# Altium PCB F103RCT6.PcbDoc (part 2 of 2)
Units mil, origin at the board's own origin, x right, y up, seen from the top; angles counter-clockwise.
Board outline 3156.04 x 3159.04 mil, 2 copper layers (Top Layer, Bottom Layer); 126 components, 98 nets, 417 pads, 209 vias.
Unrouted connection lines stored in the file: 63.
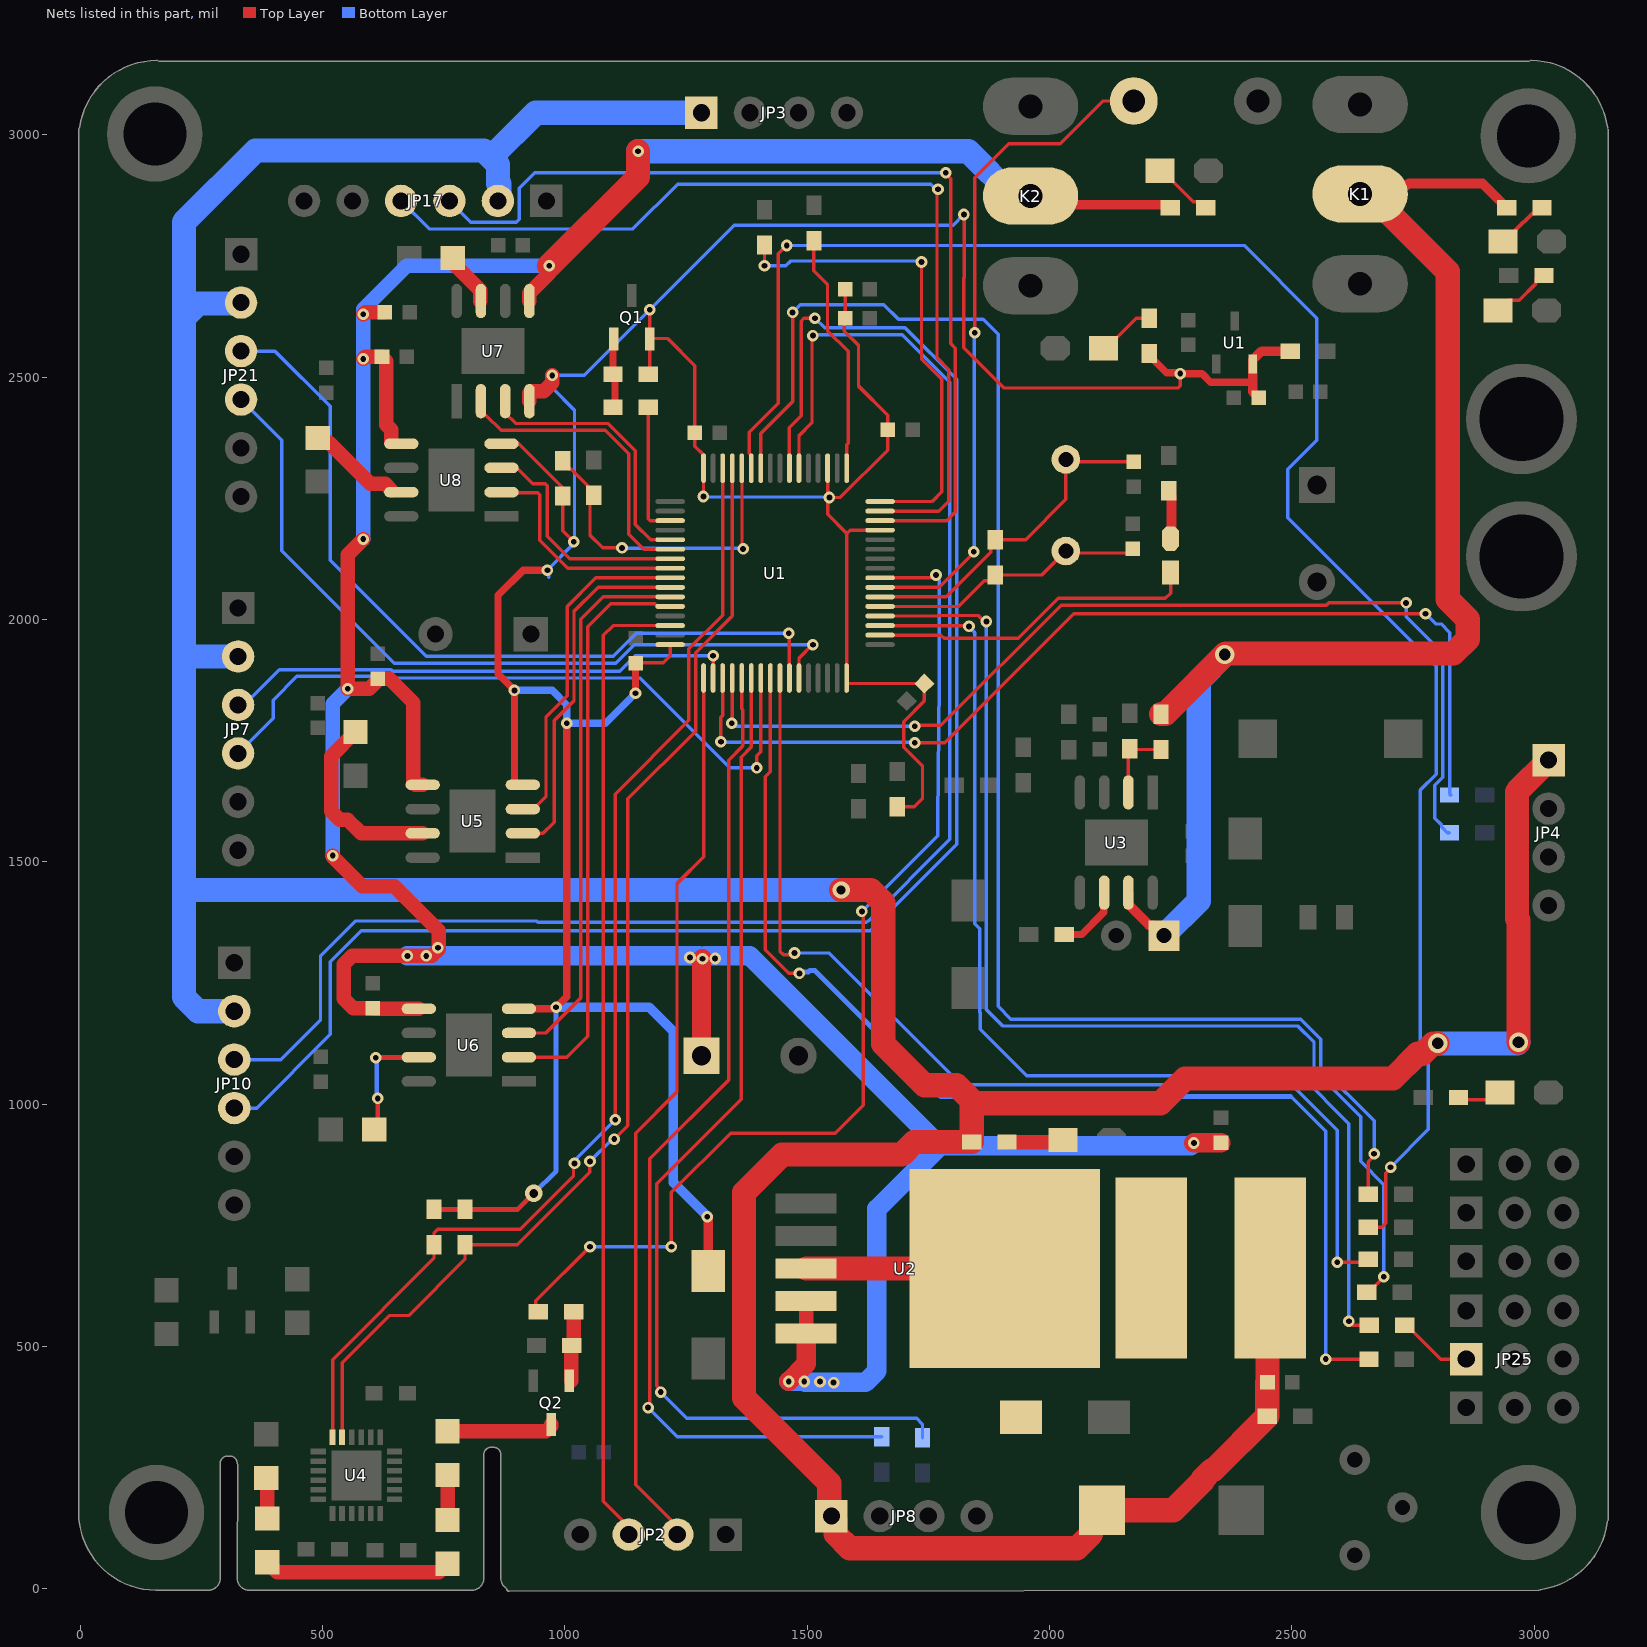
[diagram p2: the nets of this part, all layers, seen from the top]

## Via types
v1: diameter 24, hole 12, Top Layer to Bottom Layer, tented both sides, 193 vias
v2: diameter 36, hole 18, Top Layer to Bottom Layer, tented both sides, 9 vias
v3: diameter 40, hole 24, Top Layer to Bottom Layer, tented both sides, 3 vias
v4: diameter 40, hole 20, Top Layer to Bottom Layer, tented both sides, 2 vias
v5: diameter 23, hole 12, Top Layer to Bottom Layer, tented both sides, 2 vias

## Nets (pads, with @x,y where several pads share a name; then routed paths per layer and width w, separated by ;. In a path a pad name is that pad's centre, name@x,y a point inside that pad or via, vN(x,y) a via of type N, cw(c..) or ccw(c..) an arc to the next point about the centre after c; other vN are vias at no path point) (continued)
NetJP25_1: JP25.1 R49.2 | length 156
  Top Layer w7: R49.2@2733,544 2737.25,544 2807.25,474 JP25.1@2860,474
NetL2_1: L2.1 U2.3 VD2.2 | length 416.4
  Top Layer w7: U2.3@1936.93,632 U2.3@1941.45,627.48
  Top Layer w50: U2.3@1498,660.93 U2.3@1908,660.93
NetLED1_2: LED1.2 R16.2 | length 89.5
  Top Layer w20: LED1.2@2249.74,2167 2252,2169.26 2252,2243.78 2251.75,2244.04 R16.2@2251.75,2255.5
NetLED2_1: LED2.1 R38.1 | length 114.7
  Top Layer w8: LED2.1@2936,2780 2941,2780 2962,2801 2962,2803.75 2996.5,2838.25 3000.5,2838.25 R38.1@3014,2851.75 ; R38.1@3014,2855.75 R38.1@3014,2851.75 ; R38.1@3015,2852.75 R38.1@3014,2851.75
NetLED3_1: LED3.1 R39.1 | length 126
  Top Layer w7: LED3.1@2228,2926 2233,2926 2296.75,2862.25 2310.25,2862.25 R39.1@2322.5,2850
NetLED4_1: LED4.1 R40.1 | length 68.5
  Top Layer w7: R40.1@2844,1014 2849,1009 LED4.1@2909,1009
  Top Layer w20: LED4.1@2929,1025 LED4.1@2930,1024
NetLED5_1: LED5.1 R41.1 | length 112.2
  Top Layer w30: R41.1@1917.5,922 2024,922 LED5.1@2028,926
NetLED6_1: LED6.1 R42.1 | length 119.7
  Top Layer w7: LED6.1@2112,2560 2117,2560 2179,2622 R42.1@2206,2622
NetLED7_1: LED7.1 R50.1 | length 134.8
  Top Layer w7: LED7.1@2926,2638 2946.67,2658.67 2969.17,2658.67 3004,2693.5 3004,2705.75 3016.25,2718 R50.1@3020.5,2718
NetQ1_1: Q1.1 R1.1 R2.2 | length 137.5
  Top Layer w15: R1.1@1099.5,2506 Q1.1@1099.5,2575.5 ; R2.2@1103.5,2438 R1.1@1103.5,2506
NetQ2_1: Q2.1 R30.2 R31.2 | length 130.7
  Top Layer w30: Q2.1@1013.4,429.5 1013.4,489.25 1014.15,490 R31.2@1014.5,490 ; R31.2@1016.5,504 1017.75,504 1018.5,504.75 R30.2@1018.5,572
NetQ2_3: Q2.3 R27.2 | length 222
  Top Layer w30: R27.2@758,325 960.96,325 972,336.04 Q2.3@972,339.5
NetR10_1: R10.1 R11.2 U3.2 | length 156
  Top Layer w7: U3.2@2163,1643.35 2163,1730.5 R10.1@2166,1733.5 2167.5,1732 R11.2@2230,1732
NetR13_2: R13.2 U3.6 | length 141.6
  Top Layer w15: R13.2@2030.5,1350 2066,1350 2111.96,1395.96 2111.96,1435.61 U3.6@2113,1436.65
NetR23_1: R23.1 R25.1 | length 388.2
  Top Layer w30: R23.1@386,55 407,34 740,34 R25.1@758,52
NetR23_2: R23.2 R24.1 | length 90
  Top Layer w30: R23.2@386,145 R24.1@386,235
NetR25_2: R25.2 R27.1 | length 97.4
  Top Layer w7: R27.1@754,236 755,235 R27.1@758,235
  Top Layer w30: R25.2@758,142 R27.1@758,235
NetR28_2: R28.2 U5.7 | length 391.7
  Top Layer w30: R28.2@568,1768 518,1718 518,1604.57 535.57,1587 551.65,1587 579.65,1559 U5.7@706.65,1559
NetR37_2: R37.2 U6.7 | length 245.6
  Top Layer w10: R37.2@607,938 614,945 v1(614,1012) ; v1(610,1096) 610.5,1096.5 686.15,1096.5 U6.7@686.65,1097
  Bottom Layer w10: v1(610,1096) 612,1094 612,1008 v1@614,1006
NetR43_2: R43.2 U7.7 | length 112.1
  Top Layer w30: R43.2@769,2746 769,2736.38 825.6,2679.78 U7.7@825.6,2657.35
NetR44_2: R44.2 U8.7 | length 196.9
  Top Layer w30: R44.2@490,2375 500,2365 513.57,2365 598.4,2280.17 629.22,2280.17 U8.7@642.22,2267.17
NRST: KEY?.2 U1.7 | length 1393.3
  Top Layer w7: U1.7@1650.52,2066.48 1772.3,2066.48 1844,2138.18 v1(1844,2140.09) v1@1844,2142 ; v1(1846,2592) 1846,2912 1916.25,2982.25 2021.9,2982.25 2109.65,3070 KEY?.2@2174.09,3070
  Bottom Layer w7: v1(1844,2140.09) 1845,2141.09 1845,2591 v1(1846,2592)
OSCIN: C1.1 R5.2 U1.5 X1.2 | length 572.6
  Top Layer w7: U1.5@1650.52,2027.11 1813.11,2027.11 1865.85,2079.85 1875.85,2079.85 R5.2@1888,2092 1984.49,2092 X1.2@2034,2141.51 ; X1.2@2034,2137.51 2163.11,2137.51 C1.1@2172,2146.41
OSCOUT: C3.1 R5.1 U1.6 X1.1 | length 701.3
  Top Layer w7: U1.6@1650.52,2046.8 1786.8,2046.8 1878.6,2138.6 1878.6,2155.6 R5.1@1888,2165 1951,2165 2034,2248 X1.1@2034,2330.49 2038.89,2325.59 C3.1@2174,2325.59
PA0: JP17.3 U1.14 | length 1992.8
  Top Layer w7: U1.14@1650.52,2204.28 1788.28,2204.28 1806,2222 1806,2559.7 1796,2569.7 1796,2909.4 1786,2919.4 v1(1786,2922)
  Bottom Layer w7: JP17.3@762,2864 805.96,2820.04 899.93,2820.04 906,2826.1 906,2889.78 938.22,2922 v1(1786,2922)
PA1: JP17.4 U1.15 | length 1979.3
  Top Layer w7: U1.15@1650.52,2223.96 1772.09,2223.96 1792,2243.88 1792,2516 1768,2540 1768,2886 v1(1770,2888)
  Bottom Layer w7: JP17.4@662,2864 719.96,2806.04 1140.52,2806.04 1232.98,2898.5 1754.9,2898.5 1765.4,2888 v1(1770,2888)
PA2: R17.1 U1.16 | length 999.3
  Top Layer w7: v1(1412,2730) R17.1@1412,2773 ; U1.16@1650.52,2243.65 1757.65,2243.65 1778,2264 1778,2496.45 1736,2538.45 v1(1736,2738)
  Bottom Layer w7: v1(1412,2730) 1456.18,2730 1466.18,2740 1734,2740 v1(1736,2738)
PA3: R21.1 U1.17 | length 499.9
  Top Layer w7: R21.1@1514,2782 1514,2720 1542,2692 1542,2596 1584.5,2553.5 1584.5,2363.81 1581.64,2360.95 U1.17@1581.64,2312.53
PA6: JP10.3 U1.22 | length 3296.7
  Top Layer w7: U1.22@1483.22,2312.53 1483.22,2379.12 1510,2405.9 1510,2584 v1(1512,2586)
  Bottom Layer w7: JP10.3@318,1092 414,1092 496,1174 496,1306 568,1378 942.18,1378 944.68,1375.5 1622.32,1375.5 1624.82,1378 1625.82,1378 1794.5,1546.68 1794.5,2489.7 1696.2,2588 1514,2588 v1(1512,2586)
PA7: JP10.4 U1.23 | length 3451.9
  Top Layer w7: U1.23@1463.53,2312.53 1463.53,2395.71 1488,2420.18 1488,2616.03 1493.5,2621.53 1515.53,2621.53 v1(1516,2622)
  Bottom Layer w7: JP10.4@318,992 364,992 516,1144 516,1294 580,1358 1630,1358 1808.5,1536.5 1808.5,2495.5 1702,2602 1536,2602 v1(1516,2622)
PA8: U1.41 U5.3 | length 705.6
  Top Layer w7: U5.3@913.35,1609 935,1609 961.28,1635.28 961.28,1799.28 1005,1843 1005,2027 1064.17,2086.17 U1.41@1217.48,2086.17
PA9: U1.42 U5.2 | length 745.1
  Top Layer w7: U5.2@913.35,1559 955,1559 978,1582 978,1791.82 1019,1832.82 1019,2016.9 1068.58,2066.48 U1.42@1217.48,2066.48
PA10: U1.43 U6.3 | length 1141.7
  Top Layer w7: U6.3@906.41,1147 960.82,1147 1033,1219.18 1033,2000.9 1078.9,2046.8 U1.43@1217.48,2046.8
PA11: U1.44 U6.2 | length 1193.3
  Top Layer w7: U6.2@909,1097 1003.8,1097 1047,1140.2 1047,1985.06 1094.68,2032.74 1185.49,2032.74 1191.12,2027.11 U1.44@1217.48,2027.11
PA15: JP7.3 U1.50 | length 1042.2
  Top Layer w7: U1.50@1306.03,1879.52 v1(1306,1925.5)
  Bottom Layer w7: JP7.3@349.82,1835.4 411.2,1896.78 641.42,1896.78 644.61,1893.59 1113.59,1893.59 1145.5,1925.5 v1(1306,1925.5)
PB0: R32.1 U1.26 | length 3256.5
  Top Layer w7: U1.26@1404.48,2312.53 1404,2313.01 1404,2384 1470,2450 v1(1470,2634) ; R32.1@2657.5,814 2657.5,880.9 2670,893.4 v1(2670,898)
  Bottom Layer w7: v1(1470,2634) 1486,2650 1658,2650 1688.55,2619.44 1863.03,2619.44 1894,2588.48 1894,1202 1920.59,1175.41 2518.59,1175.41 2560,1134 2560,1075.8 2670,965.8 v1(2670,898)
PB1: R34.1 U1.27 | length 3765.7
  Top Layer w7: U1.27@1384.79,2312.53 1384.79,2338.89 1380.53,2343.15 1380.53,2386.53 1440.79,2446.79 1440.79,2754.79 v1(1458,2772) ; R34.1@2657.5,746 2686,746 2694,754 2694,857.4 2704,867.4 v1(2704,870)
  Bottom Layer w7: v1(1458,2772) 2402,2772 2552,2622 2552,2369.85 2492,2309.85 2492,2210 2798,1904 2798,1680.9 2765.46,1648.35 2765.46,1110.8 2782,1094.25 2782,948 v1(2704,870)
PB2: R4.1 R7.2 U1.28 | length 681.6
  Top Layer w7: R4.1@996,2328 996,2323.75 1008.25,2311.5 1012.5,2311.5 1047.75,2276.25 1047.75,2268.51 R7.2@1060,2256.26 1052,2248.26 1052,2174 1078,2148 v1(1118,2148) ; U1.28@1365.11,2312.53 1365.65,2311.99 1365.65,2148.35 v1(1368,2146)
  Bottom Layer w7: v1(1118,2148) 1119,2147 1367,2147 v1(1368,2146)
PB3: JP7.4 U1.55 | length 1425.2
  Top Layer w7: v1(1396,1694) 1396,1718.6 1404.48,1727.08 U1.55@1404.48,1879.49
  Bottom Layer w7: JP7.4@326,1724 398,1796 398,1834 446.78,1882.78 635.62,1882.78 638.81,1879.59 1154.41,1879.59 1340,1694 v1(1396,1694)
PB4: R48.1 U1.56 | length 2441.5
  Top Layer w7: U1.56@1424.16,1879.49 1424,1879.33 1424,1686 1413.5,1675.5 1413.5,1318.5 1462,1270 v1(1484,1270) ; v1(2570,474) R48.1@2659.5,474
  Bottom Layer w7: 2498,1016 2570,944 v1(2570,474)
  Bottom Layer w10: v1(1484,1270) 1486.68,1272.68 1502.68,1272.68 1506,1276 1516,1276 1776,1016 2498,1016
PB5: R33.1 U1.57 | length 2204.2
  Top Layer w7: U1.57@1444,1876.22 1444,1316 1451.25,1308.75 1470.75,1308.75 v1(1474,1312) ; v1(2594,674) 2651.5,674 R33.1@2657.5,680
  Bottom Layer w7: v1(1474,1312) 1546,1312 1818,1040 2500,1040 2594,946 v1(2594,674)
PB6: JP21.3 U1.58 | length 1690.1
  Top Layer w7: v1(1462,1972) 1463.53,1970.47 U1.58@1463.53,1879.49
  Bottom Layer w7: JP21.3@332,2554 402,2554 516,2440 516,2122.19 714.12,1924.07 1099.6,1924.07 1147.53,1972 v1(1462,1972)
PB7: JP21.4 U1.59 | length 1635.8
  Top Layer w7: U1.59@1483.22,1879.49 1483.22,1920.62 1510.6,1948 v1(1512,1948)
  Bottom Layer w7: JP21.4@332,2454 416,2370 416,2142 647.93,1910.07 1105.4,1910.07 1143.33,1948 v1(1512,1948)
PB10: R19.2 U1.29 U4.23 | length 2422.2
  Top Layer w7: U4.23@540.47,312.74 540.47,466.47 638,564 678,564 794,680 R19.2@794,710 902,710 1051.5,859.5 1051.5,881.5 v1(1052,882) ; v1(1102,928) 1130,956 1130,1630 1270,1770 1270,1932 1345.42,2007.42 U1.29@1345.42,2312.53
  Bottom Layer w7: v1(1052,882) 1098,928 v1(1102,928)
PB11: R20.2 U1.30 U4.24 | length 2432.8
  Top Layer w7: U4.24@520.79,312.74 520.79,472.79 730,682 R20.2@730,710 730,734 738,742 908,742 1018,852 1018,876 v1(1020,878) ; v1(1104,968) 1104,1640 1256,1792 1256,1939.49 1325.74,2009.22 U1.30@1325.74,2312.53
  Bottom Layer w7: v1(1020,878) 1020,882.6 1025.91,888.51 1025.91,889.91 v1(1104,968)
PB14: R2.1 U1.35 | length 296
  Top Layer w7: R2.1@1156.15,2429.85 1164.35,2429.85 R2.1@1172.5,2438 1172.5,2208.38 1176.6,2204.28 U1.35@1217.48,2204.28
PC0: R30.1 U1.8 | length 2212.5
  Top Layer w7: R30.1@939.5,572 940.15,572.65 940.15,594.15 v1(1052,706) ; v1(1220,706) 1220,818 1342,940 1558,940 1616,998 1616,1395 v1(1613,1398) ; U1.8@1650.52,2086.17 1755.57,2086.17 1761.4,2092 v1(1766,2092)
  Bottom Layer w7: v1(1052,706) v1(1220,706) ; v1(1613,1398) 1614,1398 1769.95,1553.95 1769.95,1589.95 1772.32,1866.65 1772.32,1866.71 1772.32,2081.08 1766,2087.4 v1(1766,2092)
PC6: U1.37 U7.3 | length 562.2
  Top Layer w7: U7.3@877,2450.65 877,2426.05 898.33,2404.72 1089.08,2404.72 1145.75,2348.05 1145.75,2196.25 1177.09,2164.91 U1.37@1217.48,2164.91
PC7: U1.38 U7.2 | length 626.3
  Top Layer w7: U7.2@827,2450.65 827,2430.01 835.91,2421.1 838.22,2421.1 868.6,2390.72 1083.28,2390.72 1131.75,2342.25 1131.75,2176.25 1162.78,2145.22 U1.38@1217.48,2145.22
PC8: U1.39 U8.3 | length 486.7
  Top Layer w7: U8.3@869.35,2313 872.15,2310.2 903.7,2310.2 933.9,2280 959.9,2280 964,2275.9 964,2172 1010.5,2125.5 1127.32,2125.5 1127.36,2125.54 U1.39@1217.48,2125.54
PC9: U1.40 U8.2 | length 458.1
  Top Layer w7: U8.2@879.04,2262 943.9,2262 948,2257.9 948,2164 1006.15,2105.85 U1.40@1217.48,2105.85
PC10: R18.1 U1.51 | length 2102.2
  Top Layer w7: v1(1322,1748) 1322,1798.43 1325.74,1802.16 U1.51@1325.74,1879.49 ; v1(1722,1746) 1784,1746 2050,2012 v1(2776,2012)
  Bottom Layer w7: v1(1322,1748) 1323,1747 1721,1747 v1(1722,1746) ; v1(2776,2012) 2796.98,1991.02 2808.27,1991.02 2826,1973.29 2826,1641.75 R18.1@2827.63,1640.13 ; R18.1@2825.5,1638 R18.1@2829.75,1638
PC11: R22.1 U1.52 | length 2121.3
  Top Layer w7: v1(1344.6,1786) 1345.42,1786.82 U1.52@1345.42,1879.49 ; v1(1721.92,1779.92) 1723.84,1781.84 1775.84,1781.84 2024,2030 2571.74,2030 2576.24,2034.5 v1(2736,2034.5)
  Bottom Layer w7: v1(1344.6,1786) 1350.78,1779.82 v1@1721.82,1779.82 ; v1(2736,2034.5) 2736,2006 2803.14,1938.86 2803.14,1918.65 2812,1909.8 2812,1675.1 2795,1658.1 2795,1590.5 2809,1576.5 2809,1572.25 2821.25,1560 R22.1@2825.5,1560
PC12: R26.1 U1.53 | length 2094
  Top Layer w7: v1(1172,374) 1175.1,377.1 1175.1,887.1 1338,1050 1338,1710.12 1367.1,1739.22 1367.1,1813.64 1365.11,1815.63 U1.53@1365.11,1879.49
  Bottom Layer w7: v1(1172,374) 1232,314 R26.1@1654,314
PC13: LED1.1 U1.2@1650.52,1968.06 | length 663.2
  Top Layer w7: U1.2@1669.5,1968.06 1776.09,1968.06 1782.65,1961.5 1935.7,1961.5 2018.2,2044 2239.38,2044 2250,2054.62 LED1.1@2250,2096
PC14: R49.1 U1.3@1650.52,1987.74 | length 2328.6
  Top Layer w7: U1.3@1641.75,1987.74 1642.29,1987.2 1832.8,1987.2 v1(1834,1986) ; v1(2618,552) 2618.25,552 2626.25,544 R49.1@2660,544
  Bottom Layer w7: v1(1834,1986) 1834,1985.4 1846,1973.4 1846,1372 1856,1362 1856,1189.71 1857.08,1188.63 1857.08,1154.92 1953.5,1058.5 2519.5,1058.5 2618,960 v1(2618,552)
PC15: R47.1 U1.4 | length 2322.3
  Top Layer w7: U1.4@1650.52,2007.43 1770.84,2007.43 1771.91,2008.5 1852.9,2008.5 1865.4,1996 v1(1870,1996) ; R47.1@2655,612 2659.25,612 2690,642.75 v1(2690,644)
  Bottom Layer w7: v1(1870,1996) 1870,1195.51 1900,1165.51 1902.05,1163.46 1904.1,1161.41 2512.79,1161.41 2546,1128.2 2546,1070 2642,974 2642,882 2690,834 v1(2690,644)
PD2: R29.1 U1.54 | length 2152.8
  Top Layer w7: v1(1198,406) 1198,410.6 1190,418.6 1190,836 1364,1010 1364,1716.32 1384.79,1737.11 U1.54@1384.79,1879.49
  Bottom Layer w7: v1(1198,406) 1252,352 1726,352 1738,340 R29.1@1738,312
S5V: C5.2 E5.1 JP3.1 JP4.1 JP7.2 JP8.1 JP10.2 JP17.2 JP21.2 L2.2 R9.2 R41.2 | length 9699.3
  Top Layer w50: JP8.1@1550,150 1545.5,154.5 1545.5,218.5 1370,394 1370,818 1448,896 1695.26,896 1721.26,922 R41.2@1839.5,922 1839.5,995.35 ; JP8.1@1558.46,141.54 1558.46,113.29 1587.75,84 2056.77,84 2086.06,113.29 2086.06,139.76 E5.1@2108.3,162 2255.5,162 2316.46,222.96 2316.46,226.44 2335.2,245.18 2338.68,245.18 R9.2@2449.5,356 C5.2@2449.5,426 ; v2(1570,1442) 1631.23,1442 1657,1416.23 1657,1124.39 1742.39,1039 1808.39,1039 1845.39,1002 2229,1002 2280,1053 2709,1053 2760,1104 2770,1104 2791.5,1125.5 v3(2800.96,1125.5) ; C5.2@2450,426 2450,656 L2.2@2456,662 ; v3(2968,1128) 2968,1379.42 2964.54,1382.88 2964.54,1644.54 JP4.1@3030,1710
  Bottom Layer w50: JP10.2@318,1192 243.29,1192 214,1221.29 214,1442 ; JP7.2@326,1924 222,1924 214,1932 ; JP21.2@332,2652 243.29,2652 214,2622.71 ; 847.36,2953.36 940,3046 JP3.1@1282,3046 ; JP17.2@862,2864 865.24,2867.24 865.24,2899.22 ; 862,2899.22 862,2938.71 832.71,2968 362,2968 214,2820 214,2622.71 ; v2(1570,1442) 214,1442 ; v3(2800.96,1125.5) 2965.5,1125.5 v3(2968,1128) ; 214,1442 214,1932 ; 214,1932 214,2622.71
S12V: C9.2 C17.2 C19.2 C21.2 C23.2 E4.1 K2.2 R39.2 U2.4 U2.5 U5.5 U6.5 U7.5 U8.5 | length 7453.8
  Top Layer w20: K2.2@1961,2874.04 1979.29,2855.75 2243.75,2855.75 R39.2@2249.5,2850 R39.2@2249,2849.5
  Top Layer w30: v1(521,1513) 521,1511 582,1450 648,1450 740.18,1357.82 740.18,1320.18 726,1306 561.57,1306 544,1288.43 544,1218 563.59,1198.41 C19.2@604,1198.41 605.41,1197 U6.5@698.65,1197 ; v1(584,2166) 552,2134 v1(552,1857.28) 596.42,1857.28 614,1874.86 C17.2@614,1878.41 637.59,1878.41 687.1,1828.9 687.1,1663.17 691.27,1659 U5.5@706.65,1659 ; v1(584,2538) 588,2542 C23.2@622.82,2542 632,2532.82 632,2402 642.22,2391.78 U8.5@642.22,2367.17 ; v1(584,2630) 588,2634 C21.2@628.82,2634 ; U7.5@927,2657.35 927,2673.61 968,2714.61 v1(968,2730) ; U2.5@1498,527.07 U2.4@1498,594
  Top Layer w40: E4.1@1282,1100 1282,1298 v1(1284,1300) ; v1(1462,428) 1498,464 U2.5@1498,527.07 ; v1(2298,920) 2298.82,920.82 C9.2@2354,920.82
  Top Layer w50: v1(968,2730) 1151.23,2913.23 v1(1151.23,2966.33)
  Bottom Layer w30: v1(521,1513) 521,1826.28 v1(552,1857.28) ; v1(584,2166) 584,2640 674,2730 v1(968,2730)
  Bottom Layer w40: v1(675.13,1306) 1278,1306 v1(1284,1300) 1290,1306 1310.21,1306 1382,1306 1774,914 ; v1(1462,428) v1(1494,428) 1496,426 1620.57,426 1644,449.43 1644,784 1774,914 ; v1(2298,920) 2292,914 1774,914
  Bottom Layer w50: v1(1151.23,2966.33) 1832.65,2966.33 1924.93,2874.04 K2.2@1961,2874.04
  other v1: 1554.61,425.58 1526.61,427.58 1310.21,1300.75 1258.21,1302.75 714,1306 738.19,1322.74
SWCLK: JP2.2 U1.49 | length 1861.3
  Top Layer w7: JP2.2@1232,112 1232,129.04 1146,215.04 1146,940.27 1231.5,1025.77 1231.5,1455.5 1286.37,1510.37 U1.49@1286.37,1879.49
SWDIO: JP2.3 U1.46 | length 2025.9
  Top Layer w7: JP2.3@1132,112 1132,128.07 1079.5,180.57 1079.5,1967.61 1099.63,1987.74 U1.46@1219.74,1987.74
T12V: E3.1 K1.2 R11.1 R38.2 U3.7 | length 2869.8
  Top Layer w20: U3.7@2163,1436.65 2163,1412.05 2205.55,1369.5 2214.93,1369.5 E3.1@2236.43,1348 ; K1.2@2690.02,2850 2669.04,2850 K1.2@2641,2878.04 2659.77,2896.81 2737.94,2896.81 2741.13,2900 2893.5,2900 R38.2@2943.5,2850
  Top Layer w50: R11.1@2230,1805 2239,1805 2364,1930 2834,1930 2863.29,1959.29 2863.29,2000.71 2822,2042 2822,2718.02 2690.02,2850 2661.98,2878.04 K1.2@2641,2878.04
  Bottom Layer w50: E3.1@2236.43,1348 2308,1419.57 2308,1874 v3(2362,1928)
VCC: C6.2 C11.1 C12.1 C13.1 C14.1 C15.1 C16.1 Q1.2 R1.2 R3.2 R4.2 R8.2 R19.1 R20.1 R42.2 U1.2@2419.4,2527 U1.13 U1.19 U1.32 U1.48 U1.64 U5.4 U6.4 U7.4 U8.4 VD3.2 | length 8446.4
  Top Layer w7: U8.4@869.35,2363 905,2363 996,2272 996,2183.31 v1(1018.6,2160.71) ; C14.1@1146,1910.82 1202.82,1910.82 1217.48,1925.48 U1.48@1217.48,1948.37 ; R1.2@1172.5,2506 1175.4,2508.9 Q1.2@1175.4,2579 Q1.2@1175.4,2580 ; v1@1176,2640 v1(1175.4,2639.4) Q1.2@1175.4,2580 ; v1(1286,2254) 1286.18,2254.18 1286.18,2312.35 U1.32@1286.37,2312.53 1285.82,2313.07 1285.82,2340.67 1268.41,2358.09 1268.41,2523.59 1212,2580 Q1.2@1175.4,2580 ; U1.19@1542.27,2312.53 1542.81,2311.99 1542.81,2255.19 v1(1546,2252) ; C13.1@1570.82,2622 C13.1@1571.4,2621.42 ; C11.1@1578.41,2682 C13.1@1578.41,2622 1577,2620.59 1577,2595 1606,2566 1606,2482 1666.41,2421.59 C12.1@1666.41,2392 1666.41,2349.9 1568.51,2252 v1(1546,2252) ; U1.13@1622.26,2184.59 1588.59,2184.59 1581.64,2177.64 ; R3.2@1686,1613.5 1721.5,1613.5 1738,1630 1738,1698.18 1699.42,1736.76 1699.42,1789.36 1742.1,1832.04 C15.1@1742.1,1868.1 1582.95,1868.1 1581.64,1869.41 U1.64@1581.64,1879.49 1581.64,2177.64 ; v1(1823.5,2836) 1824,2835.5 1824,2705.66 1823.5,2705.16 1823.5,2560.5 1906,2478 2265.9,2478 2270,2482.1 v1(2270,2507.5) ; R42.2@2206,2549 R42.2@2209.91,2545.09 ; v1(1546,2252) 1542.75,2248.75 1542.75,2230.15 1542.27,2229.67 1542.27,2217.01 1581.64,2177.64
  Top Layer w10: R20.1@730,783 R19.1@794,783 903,783 v2(936,816)
  Top Layer w15: U6.4@905.35,1197 976.56,1197 979.56,1200 v1(982,1200) 1004,1222 v1(1004,1786) ; U5.4@913.35,1659 899.19,1659 896.12,1662.07 896.12,1853.88 v1(896,1854) 862,1888 862,2050 914,2102 v1(964,2102) ; v1(1146,1848) C14.1@1146,1910.82 ; R42.2@2209.91,2545.09 2209.91,2540.84 2241.53,2509.22 2268.28,2509.22 v1(2270,2507.5) 2315.05,2507.5 2332.55,2490 2419.4,2490
  Top Layer w20: v1(1294,768) 1294,766.92 1296,764.92 VD3.2@1296,656 ; C6.2@2431.59,2458 2419.4,2470.18 2419.4,2490 U1.2@2419.4,2527 2419.4,2535.54 2437.86,2554 R8.2@2497,2554
  Top Layer w30: U7.4@927,2450.65 927,2466.91 931.17,2471.09 956.43,2471.09 974,2488.66 v1(974,2504)
  Bottom Layer w7: v1(964,2102) 966.91,2099.09 966.91,2087.09 ; v1@964,2102.26 1020,2158.26 1020,2432 974,2478 v1(974,2504) 1040,2504 1350,2814 1801.5,2814 v1(1823.5,2836) ; v1(1286,2254) 1287,2253 1545,2253 v1(1546,2252)
  Bottom Layer w10: v2(936,816) 982,862 v1(982,1200)
  Bottom Layer w15: v1(896,1854) 974,1854 1004,1824 v1(1004,1786) 1084,1786 v1(1146,1848)
  Bottom Layer w20: v1(982,1200) 1174.28,1200 1224,1150.28 1224,838 v1(1294,768)
pads on no net: K1.3 K2.3 U1.1@1650.52,1948.37 U1.9 U1.10 U1.11 U1.20 U1.21 U1.24 U1.25 U1.33 U1.34 U1.36 U1.45 U1.61 U1.62 U4.2 U4.3 U4.4 U4.5 U4.6 U4.7 U4.12 U4.14 U4.15 U4.16 U4.17 U4.19 U4.21 U4.22 U4.25

## Polygon pours and split planes (outlines as drawn)
GND on Top Layer "GND_L01_P028" (solid, remove dead copper, pour order 28): 155.95,-3.01 264.01,-3.02 ccw(c264.01,22) 289.02,22 289.01,22.28 289.01,258 289.01,259 cw(c304,259) 304,273.98 309,273.99 cw(c309,259) 323.99,259 324.98,256.01 323.99,22.02 323.99,22 ccw(c349,22) 349,-3.02 808,-3.02 ccw(c808,22) 833.01,22 833.01,22.28 833.01,277 cw(c847.99,277) 847.99,291.98 852.99,291.98 cw(c852.99,277) 867.98,277 867.98,22 ccw(c892.99,22) 880.02,0.61 ccw(c884.99,-0.01) 885,-5.02 3010,-3.02 3013.59,-1.5 ccw(c2991.53,157.48) 3150.87,138.19 3152.62,142 3152.62,2991.02 3153.02,2993.53 ccw(c2992.6,2993.53) 3152.62,3004.86 3152.62,3012 3151.57,3015.07 ccw(c2992.52,2993.53) 2994.05,3154.02 2990.52,3152.62 161.63,3152.62 158.47,3153.75 ccw(c157.91,2993.25) -0.97,3016.04 -3.02,3012 -3.02,158.27 -3.02,158.05 ccw(c157.48,157.48)
GND on Top Layer "GND_L01_P016" (hatched Horizontal grid 4 track 5, remove dead copper, pour order 16): 1748.96,1197.04 1802,1144 2762,1144 2814,1196 2814,1790 2720,1884 2718,1882 1946,1882 1747.13,1683.13
S12V on Top Layer "S12V_L01_P026" (solid, pour order 26): 1434,612 1560,612 1576,596 1576,390 1438,390 1430,398
5V on Top Layer "5V_L01_P025" (solid, pour order 25): 1994,1134 1996,1136 2100,1136 2100,1090 2094,1084 1996,1084
5V on Top Layer "5V_L01_P024" (solid, pour order 24): 2422,1138 2516,1138 2514,1136 2514,1088 2426,1088 2422,1084
S12V on Top Layer "S12V_L01_P023" (solid, pour order 23): 1244,1322 1324,1322 1324,1256 1322,1254 1242,1254
5V on Top Layer "5V_L01_P020" (solid, remove dead copper, pour order 20): 504,806 506,808 636,808 636,688 628,680 504,680
GND on Bottom Layer "GND_L02_P029" (solid, remove dead copper, pour order 29): 155.95,-3.01 264.01,-3.02 ccw(c264.01,22) 289.02,22 289.01,22.28 289.01,258 289.01,259 cw(c304,259) 304,273.98 309,273.99 cw(c309,259) 323.99,259 324.98,256.01 323.99,22.02 323.99,22 ccw(c349,22) 349,-3.02 808,-3.02 ccw(c808,22) 833.01,22 833.01,22.28 833.01,277 cw(c847.99,277) 847.99,291.98 852.99,291.98 cw(c852.99,277) 867.98,277 867.98,22 ccw(c892.99,22) 880.02,0.61 ccw(c884.99,-0.01) 885,-5.02 3010,-3.02 3013.59,-1.5 ccw(c2991.53,157.48) 3150.87,138.19 3152.62,142 3152.62,2991.02 3153.02,2993.53 ccw(c2992.6,2993.53) 3152.62,3004.86 3152.62,3012 3151.57,3015.07 ccw(c2992.52,2993.53) 2994.05,3154.02 2990.52,3152.62 161.63,3152.62 158.47,3153.75 ccw(c157.91,2993.25) -0.97,3016.04 -3.02,3012 -3.02,158.27 -3.02,158.05 ccw(c157.48,157.48)
S12V on Bottom Layer "S12V_L02_P027" (solid, pour order 27): 652,1344 766,1344 766,1270 764,1270 756,1270 652,1270
5V on Bottom Layer "5V_L02_P021" (solid, pour order 21): 996,1102 1199.21,1102 1199.21,986 996,986

## Keep-outs
Keep-Out Layer:
  lines w10: 2,3012 2,158.03 ccw(c157.48,157.48) 156,2 264.01,2 ccw(c264.01,22) 284.01,22 284,258 ; 2.43,2994.73 cw(c157.91,2993.25) 158.46,3148.73 ; 152.03,3147.61 3004,3147.61 ; 284,259 cw(c304,259) 304,279 309,279 cw(c309,259) 329,259 ; 330,258 329,22 ccw(c349,22) 349,2 808,2 ccw(c808,22) 828,22 827.99,276 ; 827.99,277 cw(c847.99,277) 847.99,297 852.99,297 cw(c852.99,277) 872.99,277 ; 830.49,374 ccw(c850.49,374) 850.49,354 855.49,354 ccw(c855.49,374) 875.49,374 ; 830.49,376 830.49,432 ccw(c810.49,432) 810.49,452 615.49,452 cw(c615.49,472) 595.49,472 595.49,477 cw(c615.49,477) 615.49,497 855.49,497 cw(c855.49,477) 875.49,477 875.49,376 ; 872.99,276 872.99,22 ccw(c892.99,22) 892.99,2 ; 884.99,-0.01 3010,2 ; 2990.98,1.99 ccw(c2991.53,157.48) 3147.01,156 ; 2994,3149.01 cw(c2992.52,2993.53) 3148.01,2992.98 ; 3147.61,142 3147.61,3012 ; 286.5,477 cw(c306.5,477) 306.5,497 436.5,497 cw(c436.5,477) 456.5,477 456.5,472 cw(c436.5,472) 436.5,452 351.5,452 ccw(c351.5,432) 331.5,432 331.5,369.42 cw(c317.08,369.42) 317.08,355 302.07,355 cw(c302.07,370.5) 286.57,370.5 286.5,477

## Other copper
Top Layer:
  rectangle net NetL2_1: 1896,318 1988,512
  rectangle net NetL2_1: 1936,472 2284,850
  rectangle net NetC7_1: 2262,1540 2412,1620
  rectangle net 5V: 2576,1304 2776,1796
  rectangle net NetC7_1: 2190,1602 2406,1684
  rectangle net NetC7_1: 2368,1502 2470,1800
  pour cut-out: 1246,1806 1246,1797.14 1095.21,1646.35 1095.21,1645.74 1091.72,1645.74 1090,1647.46 1090,1806

## Silkscreen, mask and mechanical layers (free items; w line width, h text height)
Top Overlay:
  text "VCC" at 1954.04,3048.5 h45
  text "T12V" at 2806,2880 h45
  text "A2" at 1316,2872 h45
  text "GND" at 1649.74,2871.5 h45
  text "A3" at 1554,2868.5 h45
  text "S5V" at 1214,2866.5 h45
  text "M3+" at 1028,2816 h25
  text "5V" at 840,2802 h25
  text "A1" at 616,2798 h25
  text "A0" at 738,2794 h25
  text "M3-" at 404,2786 h25
  text "GND" at 494,2778 h25
  text "S12V" at 2094,2770.5 h45
  text "M4+" at 378,2744 h25
  text "5V" at 384,2693.43 h25
  text "B6" at 384,2593.23 h25
  text "B9" at 384,2494.15 h25
  text "GND" at 384,2393.08 h25
  text "M4-" at 384,2294 h25
  text "M1+" at 390,2064 h25
  text "5V" at 390,1963.18 h25
  text "A15" at 390,1862.73 h25
  text "5V" at 2828,1778.5 h45
  text "B3" at 390,1762.28 h25
  text "GND" at 390,1661.45 h25
  text "(TX)" at 2826,1636.71 h25
  text "C10" at 2812,1598.5 h45
  text "M1-" at 390,1562 h25
  text "C11" at 2804,1488.5 h45
  text "(RX)" at 2820,1466.53 h24
  text "GND" at 2792,1372.5 h45
  text "M2+" at 390,1330 h25
  text "S5V" at 2306,1304.5 h45
  text "5V" at 390,1230.25 h25
  text "A6" at 390,1130.88 h25
  text "A7" at 390,1032.62 h25
  text "GND" at 390,932.38 h25
  text "M2-" at 390,834 h25
  text "662k" at 338,696.5 h45
  text "1k" at 712,640 h45
  text "1k" at 774,636 h45
  text "1k" at 848,630 h45
  text "10uf" at 148,598.5 h45
  text "10uf" at 532,596.5 h45
  text "100k" at 1048,436.5 h45
  text "2.2nf" at 467.96,392 h45
  text "nmos" at 1048,378.46 h45
  text "4.7R" at 810,308 h60
  text "(TX)" at 1696,306.71 h25
  text "(RX)" at 1799.46,307.08 h24
  text "4.7R" at 208,300 h60
  text "5V" at 2914,288 h25
  text "GND" at 2998,288 h25
  text "PB0" at 2804.08,284.5 h45
  text "5V" at 998,276.5 h45
  text "DIO" at 1097.33,276.5 h45
  text "CLK" at 1196.67,276.5 h45
  text "GND" at 1296,276.5 h45
  text "GND" at 1574.59,273.65 h45
  text "C12" at 1680,274.5 h45
  text "PD2" at 1784,274 h45
  text "GND" at 1874,258.5 h45
  text "PB1" at 2804.08,238.23 h45
  text "PB5" at 2804.08,192.96 h45
  text "C15" at 2804.08,147.19 h45
  text "C14" at 2804.08,101.42 h45
  text "B4" at 2804.08,55.15 h45
  text "4.7R" at 808,24 h60
  text "4.7R" at 222,22 h60
  text "104" at 482,-37.5 h45
  text "104" at 618,-39.5 h45
Bottom Overlay:
  text "Design   by   黄鹏杰" at 2514,432 h240